# Altium PCB NURIP.PcbDoc (part 14 of 14)
Units mil, origin at the board's own origin, x right, y up, seen from the top; angles counter-clockwise.
Board outline 7096.64 x 6702.94 mil, 6 copper layers (L1, L2, L3, L4, L5, L6), stack 48.469 mil thick; 305 components, 426 nets, 2172 pads, 1040 vias.
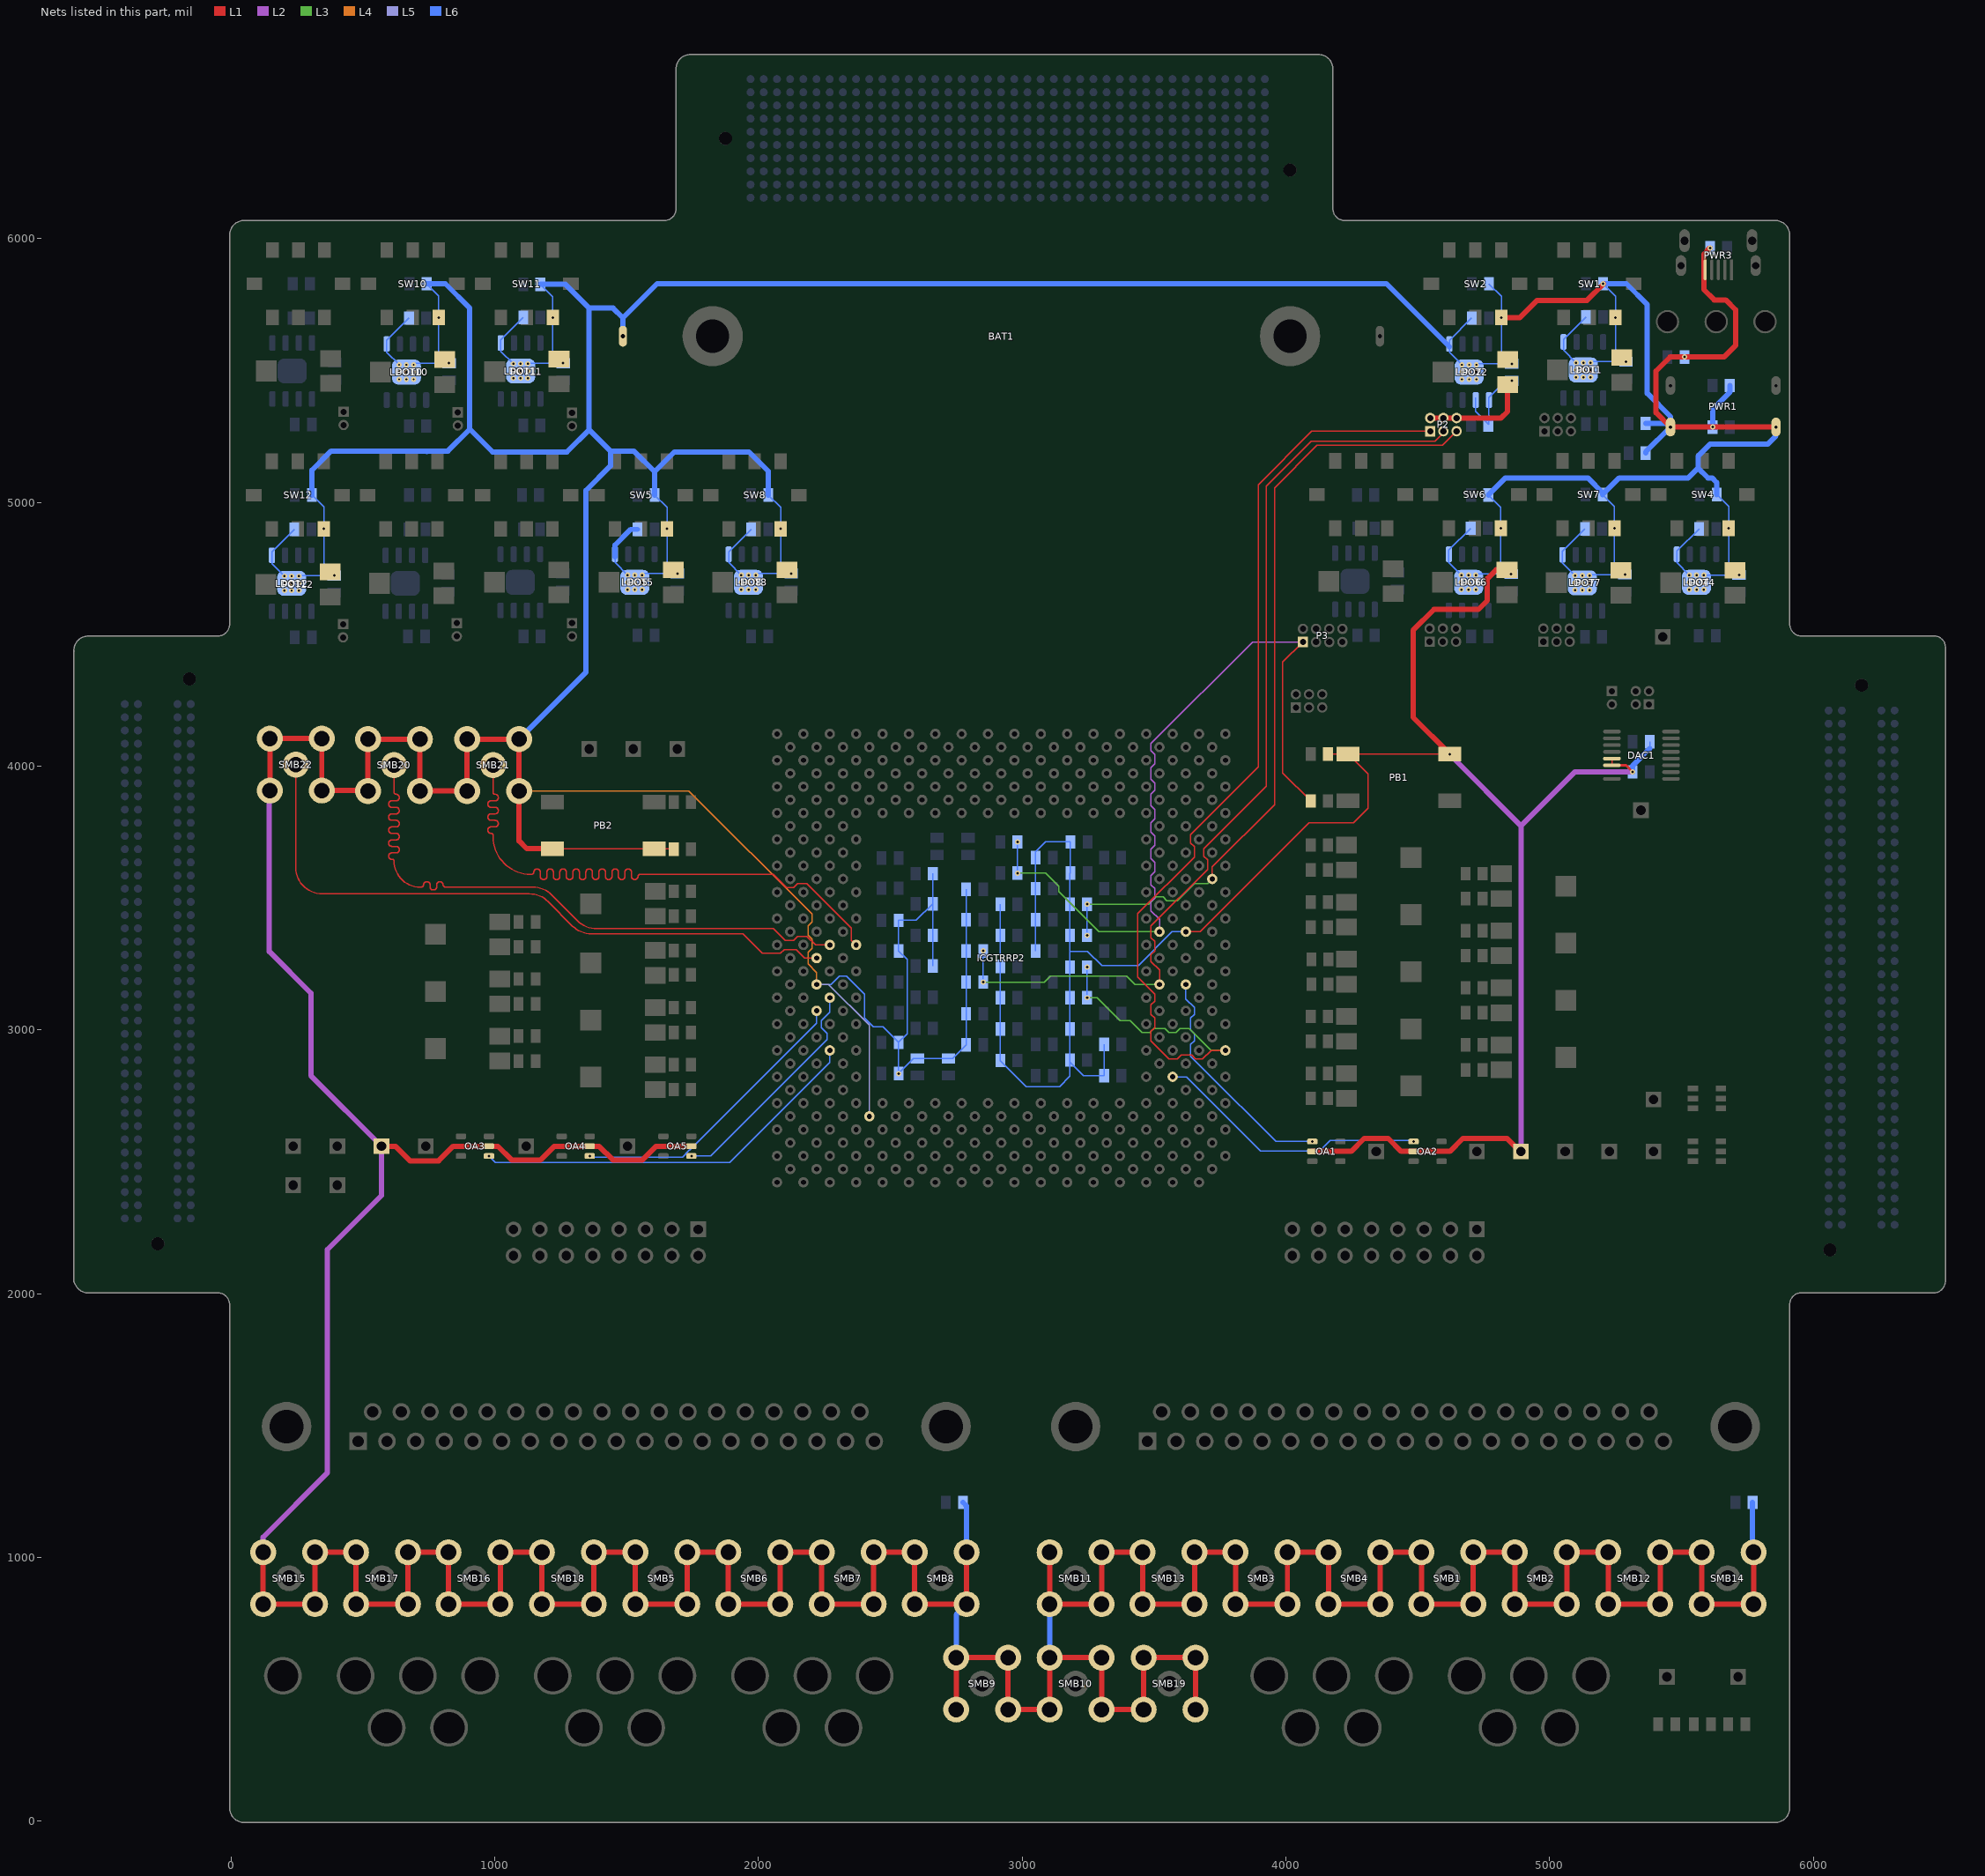
[diagram p18: the nets of this part, all layers, seen from the top]

## Via types
v1: diameter 20, hole 10, L1 to L6, tented both sides, 908 vias
v2: diameter 19.68, hole 7.87, L1 to L6, 126 vias
v3: diameter 196.85, hole 118.11, L1 to L6, 6 vias

## Nets (pads, with @x,y where several pads share a name; then routed paths per layer and width w, separated by ;. In a path a pad name is that pad's centre, name@x,y a point inside that pad or via, vN(x,y) a via of type N, cw(c..) or ccw(c..) an arc to the next point about the centre after c; other vN are vias at no path point) (continued)
VDD_PUMP: C9.1 C10.1 LDO2.1 LDO2.2 P2.2 P2.4 P2.6 POT2.3 | length 743.5
  L1 w20: P2.2@4547.24,5319.69 P2.4@4597.24,5319.69 P2.6@4647.24,5319.69 4815.75,5319.69 4840.55,5344.49 POT2.3@4840.55,5446.85
  L6 w5: LDO2.2@4719.88,5397.64 4719.88,5345.47 4769.88,5295.47 4769.88,5397.64 4832.87,5460.63 v1(4856.3,5460.63)
VDD_PUMP_A: C35.1 C36.1 ICGTRRP2.T6 P2.3 | length 3678.2
  L1 w5: ICGTRRP2.T6@3520.71,3172.2 3520.71,3226.69 3488.52,3258.87 3488.52,3285.54 3502.89,3299.91 3502.89,3335.54 3488.52,3349.91 3488.52,3394.5 3702.89,3608.87 3702.89,3644.5 3688.52,3658.87 3688.52,3686.56 3925.2,3923.23 3925.2,5061.02 4095.71,5231.54 4566.14,5231.54 4597.24,5262.64 P2.3@4597.24,5269.69
  L3 w5: v1(2852.36,3181.1) 3084.32,3181.1 3106.82,3203.6 3396.79,3203.6 3428.19,3172.2 ICGTRRP2.T6@3520.71,3172.2
  L6 w5: v1(2852.36,3181.1) v1(2852.36,3299.21)
VDD_PUMP_B: C37.1 C38.1 ICGTRRP2.AD2 P2.5 | length 3004.4
  L1 w5: ICGTRRP2.AD2@3720.71,3572.2 3720.71,3617.72 3956.69,3853.71 3956.69,5055.12 4118.11,5216.54 4594.09,5216.54 P2.5@4647.24,5269.69
  L3 w5: v1(3246.06,3476.38) 3479.37,3476.38 3507.38,3504.39 3534.04,3504.39 3548.41,3490.02 3588.52,3490.02 3652.89,3554.39 3702.89,3554.39 ICGTRRP2.AD2@3720.71,3572.2
  L6 w5: v1(3246.06,3358.27) v1(3246.06,3476.38)
VDD_PUMP_C: C39.1 C40.1 ICGTRRP2.L1 P2.1 | length 4174
  L1 w5: ICGTRRP2.L1@3770.71,2922.2 3716.23,2922.2 3684.04,2890.02 3657.38,2890.02 3643.01,2904.39 3602.89,2904.39 3588.52,2890.02 3557.38,2890.02 3488.52,2958.87 3488.52,2994.5 3502.89,3008.87 3502.89,3044.5 3488.52,3058.87 3488.52,3094.5 3502.89,3108.87 3502.89,3135.54 3438.52,3199.91 3438.52,3440.48 3652.89,3654.85 3652.89,3694.5 3638.52,3708.87 3638.52,3740.89 3895.2,3997.56 3895.2,5066.46 4098.43,5269.69 P2.1@4547.24,5269.69
  L3 w5: v1(3246.06,3122.05) 3285.11,3122.05 3371.72,3035.43 3409.45,3035.43 3454.86,2990.02 3484.04,2990.02 3499.93,3005.91 3541.49,3005.91 3557.38,2990.02 3584.04,2990.02 3598.41,3004.39 3634.04,3004.39 3716.23,2922.2 ICGTRRP2.L1@3770.71,2922.2
  L6 w5: v1(3246.06,3122.05) v1(3246.06,3238.19)
VDD_X: C47.1 C48.1 ICGTRRP2.Y6 P3.1 R31.2 | length 2971.9
  L1 w5: P3.1@4064.57,4470.47 3988.19,4394.09 3988.19,3974.41 R31.2@4094.49,3868.11
  L2 w5: ICGTRRP2.Y6@3520.71,3372.2 3520.71,3418.84 3488.52,3451.02 3488.52,3485.54 3502.89,3499.91 3502.89,3535.54 3488.52,3549.91 3488.52,3585.54 3502.89,3599.91 3502.89,3635.54 3488.52,3649.91 3488.52,3685.54 3502.89,3699.91 3502.89,3735.54 3488.52,3749.91 3488.52,3785.54 3502.89,3799.91 3502.89,3835.54 3488.52,3849.91 3488.52,3894.5 3502.89,3908.87 3502.89,3935.54 3488.52,3949.91 3488.52,3994.43 3502.89,4008.8 3502.89,4044.5 3488.52,4058.87 3488.52,4085.54 3873.46,4470.47 P3.1@4064.57,4470.47
  L3 w5: v1(2982.28,3594.49) 3088.91,3594.49 3138.64,3544.75 3138.64,3524.74 3291.18,3372.2 ICGTRRP2.Y6@3520.71,3372.2
  L6 w5: v1(2982.28,3594.49) v1(2982.28,3712.6)
VINN1: ICGTRRP2.W29 SMB21.1 | length 2517.2
  L1 w5: SMB21.1@994.09,4003.94 994.09,3905.51 994.09,3900.55 ccw(c1001.48,3900.55) 1001.48,3893.17 cw(c1001.48,3880.83) 1013.82,3880.83 cw(c1001.48,3880.83) 1001.48,3868.48 994.09,3868.48 986.71,3868.48 ccw(c986.71,3856.14) 974.37,3856.14 ccw(c986.71,3856.14) 986.71,3843.8 994.09,3843.8 1001.48,3843.8 cw(c1001.48,3831.46) 1013.82,3831.46 cw(c1001.48,3831.46) 1001.48,3819.11 994.09,3819.11 986.71,3819.11 ccw(c986.71,3806.77) 974.37,3806.77 ccw(c986.71,3806.77) 986.71,3794.43 994.09,3794.43 1001.48,3794.43 cw(c1001.48,3782.09) 1013.82,3782.09 cw(c1001.48,3782.09) 1001.48,3769.74 994.09,3769.74 986.71,3769.74 ccw(c986.71,3757.4) 974.37,3757.4 ccw(c986.71,3757.4) 986.71,3745.06 cw(c986.71,3737.67) 994.09,3737.67 994.09,3731.98 ccw(c1136.06,3731.98) 1136.06,3590.02 1139.78,3590.02 ccw(c1139.78,3598.64) 1148.4,3598.64 cw(c1159.51,3598.64) 1159.51,3609.75 1161.98,3609.75 cw(c1161.98,3598.64) 1173.08,3598.64 1173.08,3590.02 1173.08,3581.4 ccw(c1184.19,3581.4) 1184.19,3570.29 1186.66,3570.29 ccw(c1186.66,3581.4) 1197.77,3581.4 1197.77,3590.02 1197.77,3598.64 cw(c1208.88,3598.64) 1208.88,3609.75 1211.35,3609.75 cw(c1211.35,3598.64) 1222.45,3598.64 1222.45,3590.02 1222.45,3581.4 ccw(c1233.56,3581.4) 1233.56,3570.29 1236.03,3570.29 ccw(c1236.03,3581.4) 1247.14,3581.4 1247.14,3590.02 1247.14,3598.64 cw(c1258.25,3598.64) 1258.25,3609.75 1260.72,3609.75 cw(c1260.72,3598.64) 1271.82,3598.64 1271.82,3590.02 1271.82,3581.4 ccw(c1282.93,3581.4) 1282.93,3570.29 1285.4,3570.29 ccw(c1285.4,3581.4) 1296.51,3581.4 1296.51,3590.02 1296.51,3598.64 cw(c1307.62,3598.64) 1307.62,3609.75 1310.09,3609.75 cw(c1310.09,3598.64) 1321.19,3598.64 1321.19,3590.02 1321.19,3581.4 ccw(c1332.3,3581.4) 1332.3,3570.29 1334.77,3570.29 ccw(c1334.77,3581.4) 1345.88,3581.4 1345.88,3590.02 1345.88,3598.64 cw(c1356.99,3598.64) 1356.99,3609.75 1359.46,3609.75 cw(c1359.46,3598.64) 1370.56,3598.64 1370.56,3590.02 1370.56,3581.4 ccw(c1381.67,3581.4) 1381.67,3570.29 1384.14,3570.29 ccw(c1384.14,3581.4) 1395.25,3581.4 1395.25,3590.02 1395.25,3598.64 cw(c1406.36,3598.64) 1406.36,3609.75 1408.83,3609.75 cw(c1408.83,3598.64) 1419.93,3598.64 1419.93,3590.02 1419.93,3581.4 ccw(c1431.04,3581.4) 1431.04,3570.29 1433.51,3570.29 ccw(c1433.51,3581.4) 1444.62,3581.4 1444.62,3590.02 1444.62,3598.64 cw(c1455.73,3598.64) 1455.73,3609.75 1458.2,3609.75 cw(c1458.2,3598.64) 1469.3,3598.64 1469.3,3590.02 1469.3,3581.4 ccw(c1480.41,3581.4) 1480.41,3570.29 1482.88,3570.29 ccw(c1482.88,3581.4) 1493.99,3581.4 1493.99,3590.02 1493.99,3598.64 cw(c1505.1,3598.64) 1505.1,3609.75 1507.57,3609.75 cw(c1507.57,3598.64) 1518.67,3598.64 1518.67,3590.02 1518.67,3581.4 ccw(c1529.78,3581.4) 1529.78,3570.29 1532.25,3570.29 ccw(c1532.25,3581.4) 1543.36,3581.4 cw(c1551.98,3581.4) 1551.98,3590.02 1753.94,3590.02 2057.38,3590.02 2107.38,3540.02 2134.04,3540.02 2148.41,3554.39 2184.04,3554.39 2352.89,3385.54 2352.89,3340.02 ICGTRRP2.W29@2370.71,3322.2
VINN2: ICGTRRP2.V32 SMB22.1 | length 2526.1
  L1 w5: SMB22.1@246.06,4005.91 246.06,3615.75 ccw(c346.06,3615.75) 346.06,3515.75 1131.81,3515.75 cw(c1131.81,3415.75) 1202.52,3486.46 1295.51,3393.46 ccw(c1366.22,3464.17) 1366.22,3364.17 1940.94,3364.17 2015.1,3290.02 2084.04,3290.02 2098.41,3304.39 2143.01,3304.39 2175.19,3272.2 ICGTRRP2.V32@2220.71,3272.2
VINP: ICGTRRP2.W31 SMB20.1 | length 2524.2
  L1 w5: SMB20.1@618.11,4003.94 618.11,3905.51 618.11,3901.79 ccw(c626.73,3901.79) 626.73,3893.17 cw(c626.73,3882.06) 637.84,3882.06 637.84,3879.59 cw(c626.73,3879.59) 626.73,3868.48 618.11,3868.48 609.49,3868.48 ccw(c609.49,3857.38) 598.38,3857.38 598.38,3854.91 ccw(c609.49,3854.91) 609.49,3843.8 618.11,3843.8 626.73,3843.8 cw(c626.73,3832.69) 637.84,3832.69 637.84,3830.22 cw(c626.73,3830.22) 626.73,3819.11 618.11,3819.11 609.49,3819.11 ccw(c609.49,3808.01) 598.38,3808.01 598.38,3805.54 ccw(c609.49,3805.54) 609.49,3794.43 618.11,3794.43 626.73,3794.43 cw(c626.73,3783.32) 637.84,3783.32 637.84,3780.85 cw(c626.73,3780.85) 626.73,3769.74 618.11,3769.74 609.49,3769.74 ccw(c609.49,3758.64) 598.38,3758.64 598.38,3756.17 ccw(c609.49,3756.17) 609.49,3745.06 618.11,3745.06 626.73,3745.06 cw(c626.73,3733.95) 637.84,3733.95 637.84,3731.48 cw(c626.73,3731.48) 626.73,3720.37 618.11,3720.37 609.49,3720.37 ccw(c609.49,3709.27) 598.38,3709.27 598.38,3706.8 ccw(c609.49,3706.8) 609.49,3695.69 618.11,3695.69 626.73,3695.69 cw(c626.73,3684.58) 637.84,3684.58 637.84,3682.11 cw(c626.73,3682.11) 626.73,3671 618.11,3671 609.49,3671 ccw(c609.49,3659.9) 598.38,3659.9 598.38,3657.43 ccw(c609.49,3657.43) 609.49,3646.32 613.13,3646.32 cw(c613.13,3641.34) 618.11,3641.34 ccw(c718.11,3641.34) 718.11,3541.34 721.83,3541.34 ccw(c721.83,3549.96) 730.45,3549.96 cw(c741.56,3549.96) 741.56,3561.07 744.03,3561.07 cw(c744.03,3549.96) 755.14,3549.96 755.14,3541.34 ccw(c765.73,3541.34) 765.73,3530.75 769.23,3530.75 ccw(c769.23,3541.34) 779.82,3541.34 779.82,3549.96 cw(c790.93,3549.96) 790.93,3561.07 793.4,3561.07 cw(c793.4,3549.96) 804.51,3549.96 ccw(c813.13,3549.96) 813.13,3541.34 1088.58,3541.34 1145.59,3541.34 cw(c1145.59,3441.34) 1216.3,3512.05 1315.2,3413.15 ccw(c1385.91,3483.86) 1385.91,3383.86 2057.09,3383.86 2100.93,3340.02 2134.04,3340.02 2148.41,3354.39 2184.04,3354.39 2216.23,3322.2 ICGTRRP2.W31@2270.71,3322.2
Vint: ICGTRRP2.J5 OA2.1 | length 1048.4
  L6 w5: ICGTRRP2.J5@3570.71,2822.2 3622.68,2822.2 3903.54,2541.34 4127.95,2541.34 4168.01,2581.4 4479.63,2581.4 v1(4484.25,2576.77)
Vint_D: ICGTRRP2.R31 OA5.1 | length 878.2
  L6 w5: v1(1746.06,2521.65) 1818.9,2521.65 2259.84,2962.6 2259.84,2987.55 2238.52,3008.87 2238.52,3035.54 2270.71,3067.72 ICGTRRP2.R31@2270.71,3122.2
VREF1: ICGTRRP2.P32 OA4.1 | length 1120.9
  L6 w5: v1(1360.24,2521.65) 1364.86,2517.03 1711.91,2517.03 1723.56,2528.68 1723.56,2530.97 1736.74,2544.15 1739.04,2544.15 2220.71,3025.83 ICGTRRP2.P32@2220.71,3072.2
VREF2: ICGTRRP2.L31 OA3.1 | length 1504.5
  L6 w5: v1(978.35,2521.65) 1001.97,2498.03 1892.05,2498.03 2270.71,2876.69 ICGTRRP2.L31@2270.71,2922.2
VREF_A: ICGTRRP2.T4 OA1.1 | length 899.2
  L6 w5: ICGTRRP2.T4@3620.71,3172.2 3620.71,3117.72 3652.89,3085.54 3652.89,3058.87 3638.52,3044.5 3638.52,2999.91 3652.89,2985.54 3652.89,2958.87 3638.52,2944.5 3638.52,2899.91 3692.96,2845.47 3693.9,2845.47 3962.6,2576.77 v1(4100.39,2576.77)
VSS: BAT1.2 C1.2 C2.2 C3.2 C4.2 C5.2 C7.2 C8.2 C10.2 C14.2 C16.2 C17.2 C19.2 C20.2 C22.2 C23.2 C25.2 C26.2 C28.2 C29.2 C30.2 C31.2 C32.2 C33.2 C34.2 C35.2 C36.2 C37.2 C38.2 C39.2 C40.2 C49.2 C50.2 C51.2 C52.2 C53.2 C54.2 C55.2 C56.2 C57.2 C58.2 C59.2 C60.2 C61.2 C62.2 C63.2 C64.2 C65.2 C66.2 C72.2 C73.2 C75.2 C76.2 C77.2 C78.2 C80.2 C81.2 C82.2 C83.2 C85.2 C86.2 C119.2 C120.2 C122.2 C123.2 DAC1.5 DAC1.6 FB1.1 FB2.1 ICGTRRP2.F28 ICGTRRP2.T32 ICGTRRP2.Y4 J10.1 J14.1 LDO1.5 LDO2.5 LDO4.5 LDO5.5 LDO6.5 LDO7.5 LDO8.5 LDO10.5 LDO11.5 LDO12.5 OA1.2 OA2.2 OA3.2 OA4.2 OA5.2 PB1.1 PB2.1 POT1.1 POT2.1 POT4.1 POT5.1 POT6.1 POT7.1 POT8.1 POT10.1 POT11.1 POT12.1 PWR1.2 PWR3.5 R1.1 R2.1 R4.1 R5.1 R6.1 R7.1 R8.1 R10.1 R11.1 R12.1 R35.2 R36.2 SMB1.2 SMB2.2 SMB3.2 SMB4.2 SMB5.2 SMB6.2 SMB7.2 SMB8.2 SMB9.2 SMB10.2 SMB11.2 SMB12.2 SMB13.2 SMB14.2 SMB15.2 SMB16.2 SMB17.2 SMB18.2 SMB19.2 SMB20.2 SMB21.2 SMB22.2 SW1.1 SW2.1 SW4.1 SW5.1 SW6.1 SW7.1 SW8.1 SW10.1 SW11.1 SW12.1 | length 55495.6
  L1 w5: PB2.1@1218.5,3687.01 PB2.1@1604.33,3687.01 1677.17,3687.01 C120.2@1679.13,3685.04 ; ICGTRRP2.Y4@3620.71,3372.2 3675.19,3372.2 4088.58,3785.6 4088.74,3785.43 4255.91,3785.43 4311.02,3840.55 4311.02,3970.47 PB1.1@4236.22,4045.28 ; C119.2@4159.45,4045.28 PB1.1@4236.22,4045.28 ; v1(4622.05,4045.28) PB1.1@4236.22,4045.28 ; DAC1.6@5236.22,4002.95 DAC1.5@5236.22,4024.61
  L1 w10: DAC1.6@5236.22,4002.95 5290.35,4002.95 v1(5314.96,3978.35)
  L1 w20: SMB15.2@122.05,1019.68 SMB15.2@122.05,822.83 SMB15.2@318.9,822.83 SMB15.2@318.9,1019.68 SMB17.2@474.41,1019.68 SMB17.2@474.41,822.83 SMB17.2@671.26,822.83 SMB17.2@671.26,1019.68 SMB16.2@824.8,1019.68 SMB16.2@824.8,822.83 SMB16.2@1021.65,822.83 SMB16.2@1021.65,1019.68 SMB18.2@1179.13,1019.68 SMB18.2@1179.13,822.83 SMB18.2@1375.98,822.83 SMB18.2@1375.98,1019.68 SMB5.2@1533.46,1019.68 SMB5.2@1533.46,822.83 SMB5.2@1730.31,822.83 SMB5.2@1730.31,1019.68 SMB6.2@1885.83,1019.68 SMB6.2@1885.83,822.83 SMB6.2@2082.68,822.83 SMB6.2@2082.68,1019.68 SMB7.2@2240.16,1019.68 SMB7.2@2240.16,822.83 SMB7.2@2437.01,822.83 SMB7.2@2437.01,1019.68 SMB8.2@2592.52,1019.68 SMB8.2@2592.52,822.83 SMB8.2@2789.37,822.83 SMB8.2@2789.37,1019.68 ; SMB22.2@147.64,3907.48 SMB22.2@147.64,4104.33 SMB22.2@344.49,4104.33 SMB22.2@344.49,3907.48 517.72,3907.48 SMB20.2@519.69,3905.51 SMB20.2@519.69,4102.36 SMB20.2@716.54,4102.36 SMB20.2@716.54,3905.51 SMB21.2@895.67,3905.51 SMB21.2@895.67,4102.36 SMB21.2@1092.52,4102.36 SMB21.2@1092.52,3905.51 1092.52,3716.54 1122.05,3687.01 PB2.1@1218.5,3687.01 ; J14.1@570.87,2559.06 624.02,2559.06 679.13,2503.94 787.4,2503.94 842.52,2559.06 OA3.2@978.35,2559.06 1011.81,2559.06 1064.11,2506.75 1174.07,2506.75 1226.38,2559.06 OA4.2@1360.24,2559.06 1395.67,2559.06 1447.97,2506.75 1559.9,2506.75 1612.2,2559.06 OA5.2@1746.06,2559.06 ; SMB9.2@2750,423.23 SMB9.2@2750,620.08 SMB9.2@2946.85,620.08 SMB9.2@2946.85,423.23 SMB10.2@3104.33,423.23 SMB10.2@3104.33,620.08 SMB10.2@3301.18,620.08 SMB10.2@3301.18,423.23 SMB19.2@3460.63,423.23 SMB19.2@3460.63,620.08 SMB19.2@3657.48,620.08 SMB19.2@3657.48,423.23 ; SMB11.2@3104.33,1019.68 SMB11.2@3104.33,822.83 SMB11.2@3301.18,822.83 SMB11.2@3301.18,1019.68 SMB13.2@3456.69,1019.68 SMB13.2@3456.69,822.83 SMB13.2@3653.54,822.83 SMB13.2@3653.54,1019.68 SMB3.2@3809.06,1019.68 SMB3.2@3809.06,822.83 SMB3.2@4005.91,822.83 SMB3.2@4005.91,1019.68 4161.1,1019.68 SMB4.2@4161.34,1019.45 SMB4.2@4161.34,822.6 SMB4.2@4358.19,822.6 SMB4.2@4358.19,1019.45 4513.54,1019.45 SMB1.2@4513.78,1019.68 SMB1.2@4513.78,822.83 SMB1.2@4710.63,822.83 SMB1.2@4710.63,1019.68 SMB2.2@4868.11,1019.68 SMB2.2@4868.11,822.83 SMB2.2@5064.96,822.83 SMB2.2@5064.96,1019.68 SMB12.2@5222.44,1019.68 SMB12.2@5222.44,822.83 SMB12.2@5419.29,822.83 SMB12.2@5419.29,1019.68 SMB14.2@5576.77,1019.68 SMB14.2@5576.77,822.83 SMB14.2@5773.62,822.83 SMB14.2@5773.62,1019.68 ; OA1.2@4100.39,2539.37 4248.03,2539.37 4297.56,2588.9 4387.48,2588.9 4437.01,2539.37 OA2.2@4484.25,2539.37 4622.05,2539.37 4671.57,2588.9 4838.27,2588.9 4887.8,2539.37 J10.1@4891.73,2539.37 ; v1(4622.05,4045.28) 4482.28,4185.04 4482.28,4514.78 4561.99,4594.49 4730.31,4594.49 4763.78,4627.95 4763.78,4710.63 4797.24,4744.09 POT6.1@4838.58,4744.09 ; v1(4816.93,5700.79) 4887.8,5700.79 4952.76,5765.75 5141.73,5765.75 v1@5204.72,5828.74 ; v1(5608.27,5964.57) 5584.65,5940.94 5584.65,5807.09 5624.02,5767.72 5667.32,5767.72 5704.72,5730.31 5704.72,5594.49 5661.42,5551.18 v1(5511.81,5551.18) 5456.69,5551.18 5403.54,5498.03 5403.54,5340.16 PWR1.2@5458.27,5285.43 PWR1.2@5858.27,5285.43
  L2 w20: SMB15.2@122.05,1019.68 122.05,1076.77 366.14,1320.87 366.14,2167.32 570.87,2372.05 J14.1@570.87,2559.06 303.15,2826.77 303.15,3139.76 145.67,3297.24 145.67,3905.51 SMB22.2@147.64,3907.48 ; v1(4622.05,4045.28) 4622.05,4043.31 4891.73,3773.62 ; J10.1@4891.73,2539.37 4891.73,3773.62 ; v1(5314.96,3978.35) 5096.46,3978.35 4891.73,3773.62
  L4 w5: SMB21.2@1092.52,3905.51 1736.22,3905.51 2202.89,3438.84 2202.89,3408.87 2188.52,3394.5 2188.52,3358.87 2202.89,3344.5 2202.89,3308.87 2188.52,3294.5 2188.52,3249.91 2220.71,3217.72 ICGTRRP2.T32@2220.71,3172.2
  L5 w5: ICGTRRP2.T32@2220.71,3172.2 2266.23,3172.2 2420.71,3017.72 ICGTRRP2.F28@2420.71,2672.2
  L6 w5: v2(202.76,4720.47) 155.32,4767.91 155.32,4812.8 C82.2@240.16,4897.64 ; v2(257.87,4720.47) 259.84,4722.44 v1(391.73,4722.44) 352.36,4761.81 v1(352.36,4899.61) 352.36,4982.28 R12.1@307.09,5027.56 ; SMB20.2@517.72,3907.48 SMB20.2@519.69,3905.51 ; v2(637.8,5521.65) 590.35,5569.09 590.35,5613.98 C72.2@675.2,5698.82 ; v2(692.91,5521.65) 698.82,5527.56 v1(826.77,5527.56) 787.4,5566.93 v1(787.4,5700.79) 787.4,5783.46 R10.1@742.13,5828.74 ; v2(1070.67,5525.59) 1023.23,5573.03 1023.23,5615.75 C77.2@1108.27,5700.79 ; v2(1125.79,5525.59) 1127.76,5527.56 v1(1259.84,5527.56) 1220.47,5566.93 v1(1220.47,5700.79) 1220.47,5779.53 R11.1@1173.23,5826.77 ; LDO5.5@1456.5,4793.31 1456.5,4771.85 v2(1503.94,4724.41) ; v2(1559.06,4724.41) 1564.96,4730.31 v1(1692.91,4730.31) 1653.54,4769.69 v1(1653.54,4899.61) 1653.54,4980.31 R5.1@1606.3,5027.56 ; v2(1935.04,4724.41) 1887.6,4771.85 1887.6,4812.8 C26.2@1972.44,4897.64 ; v2(1990.16,4724.41) 1996.06,4730.31 v1(2124.02,4730.31) 2084.65,4769.68 v1(2084.65,4899.61) 2084.65,4980.31 R8.1@2037.4,5027.56 ; ICGTRRP2.T32@2220.71,3172.2 2275.19,3172.2 2307.38,3204.39 2334.04,3204.39 2402.89,3135.54 2402.89,3044.5 2435.59,3011.81 2472.44,3011.81 C76.2@2531.5,2952.76 ; C85.2@2661.42,3242.13 C86.2@2661.42,3358.27 C80.2@2661.42,3478.35 ; C81.2@2661.42,3592.52 C80.2@2661.42,3478.35 ; C31.2@2787.4,3533.46 C32.2@2787.4,3417.32 C35.2@2787.4,3299.21 C36.2@2787.4,3181.1 C53.2@2787.4,3061.02 C54.2@2787.4,2942.91 2736.22,2891.73 C52.2@2720.47,2891.73 C51.2@2602.36,2891.73 2588.58,2891.73 v1(2531.5,2834.65) C76.2@2531.5,2952.76 ; C64.2@2917.32,3476.38 C63.2@2917.32,3358.27 C60.2@2917.32,3240.16 C59.2@2917.32,3122.05 C50.2@2917.32,3003.94 C49.2@2917.32,2883.86 3015.75,2785.43 3141.73,2785.43 3181.1,2824.8 C30.2@3181.1,2877.95 ; C56.2@3051.18,3299.21 C55.2@3051.18,3417.32 C62.2@3051.18,3535.43 C61.2@3051.18,3653.54 3051.18,3675.2 3088.58,3712.6 C57.2@3183.07,3712.6 C58.2@3183.07,3594.49 3181.1,3592.52 C37.2@3181.1,3476.38 C38.2@3181.1,3358.27 3181.1,3298.23 ; C34.2@3311.02,2944.88 C33.2@3311.02,2826.77 3232.28,2826.77 C30.2@3181.1,2877.95 ; ICGTRRP2.Y4@3620.71,3372.2 3569.06,3372.2 3440.94,3244.09 3302.13,3244.09 3247.99,3298.23 3181.1,3298.23 ; v2(4665.35,4724.41) 4617.91,4771.85 4617.91,4818.7 C20.2@4700.79,4901.57 ; v2(4667.32,5521.65) 4619.88,5569.09 4619.88,5590.55 4619.88,5613.98 C8.2@4704.72,5698.82 ; v2(4720.47,4724.41) 4724.41,4728.35 v1(4854.33,4728.35) 4814.96,4767.72 v1(4814.96,4901.57) 4814.96,4980.32 R6.1@4767.72,5027.56 ; v2(4722.44,5521.65) 4726.38,5525.59 v1(4856.3,5525.59) 4816.93,5564.96 v1(4816.93,5700.79) 4816.93,5781.5 R2.1@4769.69,5828.74 ; v2(5096.46,4722.44) 5049.02,4769.88 5049.02,4814.76 C23.2@5133.86,4899.61 ; v2(5100.39,5529.53) 5052.95,5576.97 5052.95,5617.91 C5.2@5137.8,5702.76 ; v2(5151.57,4722.44) 5155.51,4726.38 v1(5285.43,4726.38) 5246.06,4765.75 v1(5246.06,4901.57) 5246.06,4984.25 R7.1@5200.79,5029.53 ; v2(5155.51,5529.53) 5159.45,5533.46 v1(5289.37,5533.46) 5250,5572.83 v1(5250,5700.79) 5250,5781.5 v1(5202.76,5828.74) ; 5379.92,4066.93 C122.2@5379.92,4092.52 ; v2(5529.72,4724.41) 5482.28,4771.85 5482.28,4814.96 C14.2@5566.93,4899.61 ; v2(5584.84,4724.41) v1(5718.5,4724.41) 5679.13,4763.78 v1(5679.13,4901.57) 5679.13,4984.25 R4.1@5633.86,5029.53 ; C76.2@2531.5,2952.76 2563.68,2984.94 2563.68,3267.03 C66.2@2531.5,3299.21 C65.2@2531.5,3415.35 2598.43,3415.35 C80.2@2661.42,3478.35 ; C30.2@3181.1,2877.95 C30.2@3181.1,2885.83 C29.2@3181.1,3003.94 C40.2@3181.1,3122.05 C39.2@3181.1,3238.19 3181.1,3298.23